# Allegro board RV1106G_COREDLOC_SL_V12_20220907LXF.brd
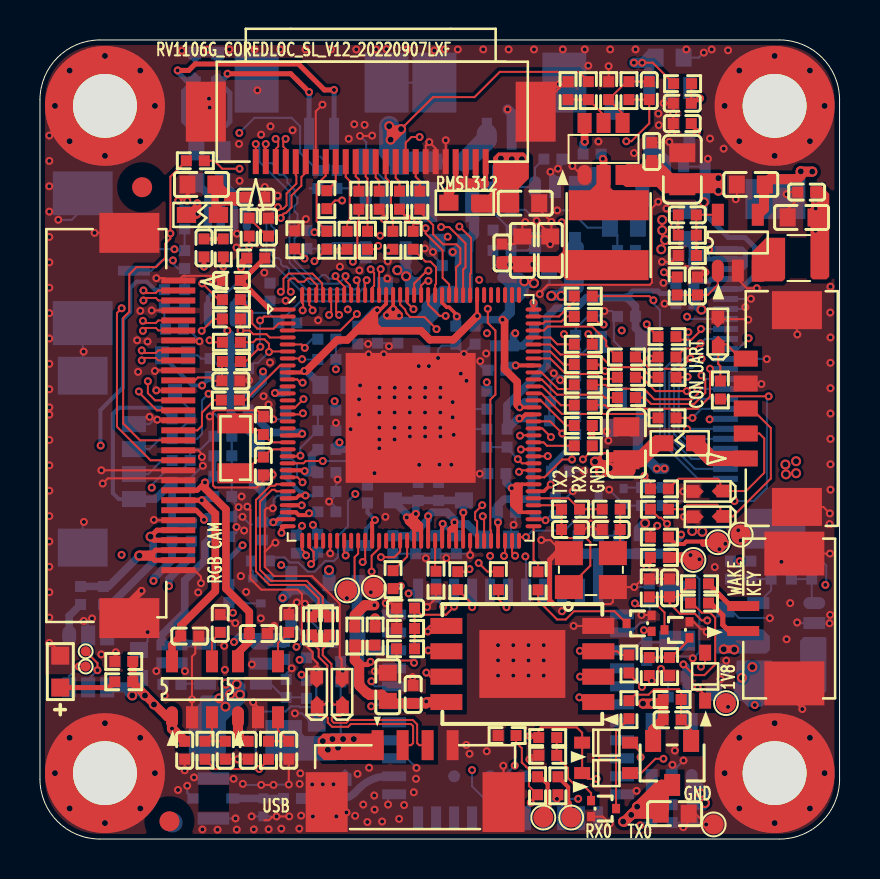
[diagram p0: board, top side]
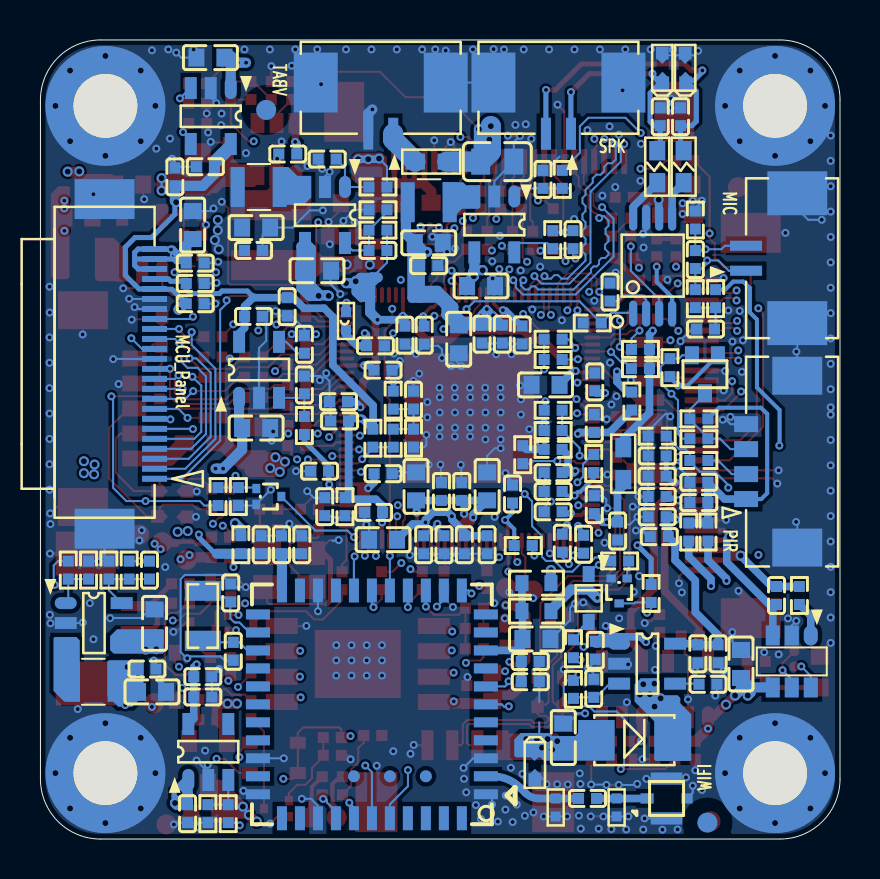
[diagram p1: board, bottom side, seen from below]

Outline 40 x 40 mm; copper layers: TOP, L2_GND, L3_POW, L4_SIG, L5_GND, BOTTOM. Coordinates in mm from the lower left corner of the outline.
Outline path: 0,37 0,3 arc(0.88,0.88) 3,0 37,0 arc(39.12,0.88) 40,3 40,37 arc(39.12,39.12) 37,40 3,40 arc(0.88,39.12) 0,37

## Design rules (mm)
net group USB_DM: nets USB_DM USB_DM_CON
net group USB_DP: nets USB_DP USB_DP_CON

## Placement (name value [footprint] x y rotation side)
ANT6000  ARAF0004-P002A  [ANT-WFL-R-SMT]  8.65 2.03 270 bottom
C1000  1uF  [C0402]  13.89 14.81 90 bottom
C1001  1uF  [C0402]  12.83 14.76 90 bottom
C1002  4.7uF  [C0402]  14.35 16.38 0 bottom
C1003  100nF  [C0402]  14.35 17.4 0 bottom
C1004  100nF  [C0402]  14.35 18.34 0 bottom
C1005  10uF  [C0603]  19.08 25.02 270 bottom
C1006  1uF  [C0402]  16.89 25.27 270 bottom
C1007  100nF  [C0402]  17.91 25.27 270 bottom
C1008  10uF  [C0603]  21.21 17.65 90 bottom
C1009  10uF  [C0603]  17.65 17.65 90 bottom
C1010  1uF  [C0402]  19.94 17.4 90 bottom
C1011  100nF  [C0402]  18.92 17.4 90 bottom
C1012  4.7uF  [C0402]  12.29 16.74 90 bottom
C1013  100nF  [C0402]  11.13 15.42 270 bottom
C1014  10uF  [C0603]  14.73 22.73 0 bottom
C1015  10uF  [C0603]  22.86 14.99 0 bottom
C1016  1uF  [C0402]  22.86 18.29 180 bottom
C1017  1uF  [C0402]  18.8 14.73 270 bottom
C1018  100nF  [C0402]  25.09 21.89 0 bottom
C1019  100nF  [C0402]  15.9 25.23 270 bottom
C1020  100nF  [C0402]  21.77 25.22 270 bottom
C1021  1uF  [C0402]  19.81 14.73 270 bottom
C1022  100nF  [C0402]  20.83 14.73 270 bottom
C1100  18pF  [C0402]  28.57 15.49 180 top
C1101  18pF  [C0402]  26.54 15.49 180 top
C1102  100nF  [C0402]  12.27 22.89 90 bottom
C1103  100nF  [C0402]  26.04 18.41 0 bottom
C1104  18pF  [C0402]  11.18 20.7 90 top
C1105  18pF  [C0402]  11.18 18.67 270 top
C1106  100nF  [C0402]  25.78 16.64 90 bottom
C1107  1uF  [C0402]  12.29 20.8 90 bottom
C1108  100nF  [C0402]  17.65 14.73 270 bottom
C1109  100nF  [C0402]  23.33 16.35 0 bottom
C1110  100nF  [C0402]  25.04 20.93 0 bottom
C1200  100nF  [C0402]  16.38 17.27 90 bottom
C1201  100nF  [C0402]  23.24 24.69 180 bottom
C1202  10uF  [C0603]  17.4 7.62 90 top
C1203  100nF  [C0402]  18.67 7.24 90 top
C1300  100nF  [C0402]  20.8 25.22 270 bottom
C1301  100nF  [C0402]  22.86 23.47 180 bottom
C1302  100nF  [C0402]  9.58 27.97 180 top
C2000  4.7uF  [C0603]  31.5 39.12 0 bottom
C2001  4.7uF  [C0402]  31.75 33.66 0 bottom
C2002  100nF  [C0402]  33.27 33.15 90 bottom
C2003  100nF  [C0402]  32.13 36.83 180 top
C2004  10nF  [C0402]  32.13 35.81 180 top
C2005  4.7uF  [C0603]  26.16 28.45 180 bottom
C2006  47pF  [C0402]  23.11 29.46 0 bottom
C2007  22uF  [C0603]  29.21 30.61 180 bottom
C2008  100nF  [C0402]  29.34 29.46 180 bottom
C2009  22pF  [C0402]  32.38 31.24 0 top
C2010  4.7uF  [C0603]  35.56 32.77 180 top
C2011  10uF  [C0603]  38.1 31.11 180 top
C2012  100nF  [C0402]  38.35 32.38 180 top
C2013  DNP  [C0402]  25.65 34.04 0 bottom
C2014  100nF  [C0402]  32.89 27.69 90 top
C2015  4.7uF  [C0603]  29.21 20.57 180 bottom
C2016  4.7uF  [C0402]  29.34 26.16 180 bottom
C2017  100nF  [C0402]  27.66 26.65 270 bottom
C2018  4.7uF  [C0603]  17.96 27.69 180 bottom
C2019  47pF  [C0402]  13.36 30.01 270 bottom
C2020  22uF  [C0603]  20.57 29.84 180 bottom
C2021  100nF  [C0402]  20.57 28.7 180 bottom
C2022  100nF  [C0402]  26.8 22.73 90 bottom
C2023  10nF  [C0402]  26.8 24.77 90 bottom
C2024  DNP  [C0402]  14.86 33.02 90 bottom
C2025  10nF  [C0402]  21.34 21.97 90 bottom
C2500  10uF  [C0603]  13.84 5.08 90 bottom
C2502  10uF  [C0805]  29.34 19.81 90 top
C2504  100nF  [C0402]  27.63 34.29 0 bottom
C2505  10uF  [C0805]  32.13 33.53 90 top
C2506  100nF  [C0402]  30.61 34.42 90 top
C2507  22pF  [C0402]  30.48 37.47 90 top
C2508  22uF  [C0603]  25.53 29.46 90 top
C2509  10uF  [C0603]  24.13 29.46 90 top
C2510  100nF  [C0402]  23.11 29.34 90 top
C2520  10uF  [C0805]  17.14 33.91 180 bottom
C2600  22pF  [C0402]  34.54 13.46 270 bottom
C2601  10uF  [C0603]  34.42 7.37 180 bottom
C2602  100nF  [C0402]  34.67 8.51 180 bottom
C2603  10uF  [C0603]  34.29 10.79 90 bottom
C2604  1uF  [C0402]  31.62 5.97 0 top
C2605  10uF  [C0603]  31.75 1.27 0 top
C2606  1uF  [C0402]  32.64 1.27 90 bottom
C2607  100nF  [C0402]  31.88 8.13 180 bottom
C2608  10uF  [C0402]  31.88 7.11 0 bottom
C4500  10uF  [C0603]  24.27 31.83 0 top
C4700  100nF  [C0402]  9.14 19.18 0 bottom
C4701  10uF  [C0402]  9.14 18.16 0 bottom
C4702  100nF  [C0402]  9.14 17.14 0 bottom
C4703  10uF  [C0402]  9.14 16.13 0 bottom
C4704  100nF  [C0402]  9.04 15.14 0 bottom
C4705  10nF  [C0402]  3.17 12.19 90 bottom
C4706  4.7uF  [C0603]  4.95 8.76 90 bottom
C4707  8pF  [C0402]  9.55 22.94 0 top
C4708  1uF  [C0402]  10.41 4.45 90 top
C4709  100nF  [C0402]  12.45 4.45 270 top
C4710  10nF  [C0402]  12.45 10.79 90 top
C4711  10uF  [C0402]  10.92 10.29 0 top
C4712  1uF  [C0402]  12.24 9.45 270 bottom
C4713  100nF  [C0402]  6.1 9.27 270 bottom
C4714  10uF  [C0402]  7.11 9.27 270 bottom
C4715  1uF  [C0402]  7.24 4.45 270 top
C4716  1uF  [C0402]  7.49 10.16 0 top
C4717  10nF  [C0402]  9.02 10.79 90 top
C4718  100nF  [C0402]  12.32 7.54 90 bottom
C4719  10nF  [C0402]  6.6 7.75 180 bottom
C4720  100nF  [C0402]  9.27 4.45 270 top
C5000  10uF  [C0603]  32.38 30.73 90 bottom
C5001  100nF  [C0402]  32.26 28.83 180 bottom
C5002  100nF  [C0402]  32.26 27.81 180 bottom
C5003  100nF  [C0402]  32.26 26.8 180 bottom
C6000  10pF  [C0402]  12.63 2.03 180 bottom
C6001  10uF  [C0603]  15.18 10.02 180 bottom
C6002  100nF  [C0402]  15.49 7.87 180 bottom
C6003  100nF  [C0402]  15.49 8.89 180 bottom
C6004  1uF  [C0402]  27.94 14.73 90 bottom
C6005  100nF  [C0402]  26.92 14.73 90 bottom
C6006  33pF  [C0402]  30.35 9.4 270 bottom
C6007  33pF  [C0402]  30.48 12.32 90 bottom
C7000  1uF  [C0402]  11.51 27.38 270 bottom
C7001  10nF  [C0402]  11.43 30.63 270 top
C7002  10nF  [C0402]  8.2 29.59 90 top
C7003  10uF  [C0603]  8.08 32.77 180 top
C7004  680pF  [C0402]  7.98 36.16 90 bottom
C7005  680pF  [C0402]  8.99 36.16 90 bottom
C7006  100nF  [C0402]  10.79 32.13 0 top
C7007  4.7uF  [C0402]  6.73 25.53 0 bottom
C7008  10pF  [C0402]  7.24 29.01 90 bottom
C8200  10uF  [C0402]  7.06 16.84 0 bottom
C8201  100nF  [C0402]  7.06 17.86 0 bottom
C8203  100nF  [C0402]  31.5 12.57 90 top
C8206  470pF  [C0402]  18.29 11.56 180 top
C8207  100nF  [C0402]  28.96 14.73 90 bottom
D2500  SS32  [DO_214AC]  10.29 4.95 0 bottom
D2600  1N4148WS  [SOD_323]  28.32 3.3 180 top
D2603  1N4148WS  [SOD_323]  33.27 8.13 270 top
D2604  1N4148WS  [SOD_323]  12.57 12.06 90 bottom
D2605  1N4148WS  [SOD_323]  28.32 4.83 180 top
ED2500  ESD5311N  [ESD0402]  15.11 7.37 90 top
ED2501  ESD5311N  [ESD0402]  13.84 7.37 90 top
ED2505  ESD5471X  [ESD0402]  15.27 3.71 270 bottom
ED2510  ESD5451N  [ESD0402]  33.91 25.4 90 top
ED2511  ESD5451N  [ESD0402]  33.4 16.13 180 top
ED2512  ESD5451N  [ESD0402]  33.4 17.4 180 top
ED7000  ST0561D4  [ESD0402]  8.89 38.61 90 bottom
ED7001  ST0561D4  [ESD0402]  7.75 38.61 90 bottom
FB1000  100R-100M  [L0603]  10.85 18.79 270 bottom
FB1100  120R-100M  [L0402]  24.71 25.93 270 bottom
FB2500  90R-100M  [RP2_0405]  14.04 10.7 270 top
FB2501  0R/100R-100M  [L0603]  32 19.81 0 top
FB2510  0R/100R-100M  [L0603]  20.45 33.91 0 bottom
FB4500  0R/100R-100M  [L0603]  21.25 31.85 180 top
FB7000  100R-100M  [L0603]  8.13 31.24 0 top
FB7001  0R  [L0603]  7.82 33.66 90 bottom
FB7002  0R  [L0603]  9.14 33.66 90 bottom
H9900  HOLE_3R20  [HOLE_C3R20_C6R00]  36.75 36.7 0 top
H9901  HOLE_3R20  [HOLE_C3R20_C6R00]  36.75 3.3 0 top
H9902  HOLE_3R20  [HOLE_C3R20_C6R00]  3.25 3.3 0 top
H9903  HOLE_3R20  [HOLE_C3R20_C6R00]  3.25 36.7 0 top
J2500  CON4  [CN4ML_1R25_V]  16.89 4.7 0 top
J2501  CON5  [CON5M_1X5_1R25_V_P]  35.31 19.05 90 top
J2502  CON2_1X2  [CN2ML_1R25_H_P]  22.35 35.31 0 bottom
J4500  CON24_1X24  [CON24_1X24_0R50]  10.79 33.91 180 top
J4700  CON30_1X30  [CON30_1X30_0R50]  6.92 15.96 270 top
J5000  CON24_1X24  [CON24_1X24_0R50]  34.29 18.03 270 bottom
J7000  CON2_1X2  [CN2ML_1R25_H_P]  13.46 35.31 0 bottom
J7001  CON2_1X2  [CN2ML_1R25_H_P]  4.7 28.45 90 bottom
J8200  CON4  [CON4M_1X4_1R25_V_P]  4.7 17.02 90 bottom
J8202  CON2_1X2  [CN2ML_1R25_H_P]  35.18 10.41 90 top
L2000  1.0uH  [IND_252010]  29.08 32.64 0 bottom
L2001  2.2uH  [IND_252012]  37.97 29.08 0 top
L2002  1.0uH  [IND_252010]  20.57 31.88 0 bottom
L2500  10uH  [IND_404030]  28.45 30.23 270 top
L2600  2.2uH  [IND_252012]  37.34 7.87 180 bottom
L6000  DNP  [L0402]  14.22 1.58 270 bottom
L6001  DNP  [L0402]  11.18 1.58 270 bottom
LED2600  LED_GREEN  [LED0603]  1.02 8.38 90 top
M9900  -  [MARK]  28.71 36.5 180 bottom
M9901  -  [MARK]  5.11 32.63 0 top
M9902  -  [MARK]  6.63 0.82 180 bottom
M9903  -  [MARK]  6.48 0.89 0 top
Q2600  WPM3401-3/TR  [SOT_23]  31.62 3.81 180 top
Q2601  MMBT3904M  [SOT_723]  28.19 1.52 270 top
Q2620  MMBT3904M  [SOT_723]  31.87 10.47 90 top
Q2621  MMBT3904M  [SOT_723]  28.57 17.14 270 bottom
Q6001  MMBT3904M  [SOT_723]  29.97 10.79 90 top
Q8200  2SK3018  [SOT_323]  6.76 23.27 0 bottom
Q8201  MMBT3904M  [SOT_723]  11.05 12.42 0 bottom
R1000  240R  [R0402]  19.81 12.95 90 top
R1001  1R  [R0402]  14.35 19.51 0 bottom
R1010  10K  [R0402]  12.32 18.8 90 bottom
R1100  22R  [R0402]  28.57 16.51 0 top
R1101  1M  [R0402]  26.54 16.51 180 top
R1102  10K  [R0402]  24.77 16.64 270 bottom
R1103  100R  [R0402]  10.41 21.92 90 bottom
R1108  100R  [R0402]  30.99 14.1 0 top
R1109  100R  [R0402]  30.99 15.11 0 top
R1200  22R  [R0402]  17.66 12.99 270 top
R1201  0R  [R0402]  16.76 10.16 270 top
R1202  10K  [R0402]  29.46 8.76 90 top
R1203  10K  [R0402]  15.85 14.69 180 bottom
R1204  0R  [R0402]  15.75 10.16 270 top
R1205  10K  [R0402]  15.87 19.24 90 bottom
R1206  100K  [R0402]  14.35 21.46 180 bottom
R1207  100K  [R0402]  14.35 20.45 0 bottom
R1302  4.7K  [R0402]  9.98 23.55 0 bottom
R1303  4.7K  [R0402]  9.98 24.51 0 bottom
R1304  1R  [R0402]  10.79 29.08 180 top
R1305  4.7K  [R0402]  14.35 24 180 bottom
R1306  4.7K  [R0402]  14.35 25.02 180 bottom
R2001  220K  [R0402]  32.15 37.82 0 top
R2003  10K  [R0402]  23.11 32.64 0 bottom
R2004  47K  [R0402]  23.11 30.48 0 bottom
R2005  127K  [R0402]  32.38 30.23 0 top
R2006  150K  [R0402]  31.88 27.69 270 top
R2007  100K  [R0402]  23.11 31.5 0 bottom
R2008  100K  [R0402]  32.38 29.21 180 top
R2010  100K  [R0402]  26.8 20.7 90 bottom
R2011  10K  [R0402]  13.89 33.02 270 bottom
R2012  47K  [R0402]  14.37 30.01 270 bottom
R2013  100K  [R0402]  12.75 30 90 top
R2014  9.1K  [R0402]  23.37 20.07 270 bottom
R2015  24K  [R0402]  22.35 20.07 90 bottom
R2016  220K  [R0402]  22.35 21.97 90 bottom
R2017  10K  [R0402]  21.34 20.07 270 bottom
R2500  2.2R  [R0402]  13.59 10.67 270 top
R2503  2.2R  [R0402]  14.48 10.67 270 top
R2505  100R  [R0402]  30.99 17.53 0 top
R2506  100R  [R0402]  30.99 16.51 0 top
R2507  2M  [R0402]  29.46 37.47 90 top
R2508  1M  [R0402]  27.43 37.47 270 top
R2509  1M  [R0402]  26.42 37.47 90 top
R2510  374K  [R0402]  28.45 37.47 90 top
R2520  10K  [R0402]  34.04 22.48 90 top
R2601  10K  [R0402]  38.61 13.46 270 bottom
R2602  1M  [R0402]  35.56 13.46 270 bottom
R2603  1M  [R0402]  37.59 13.46 90 bottom
R2604  510K  [R0402]  36.58 13.46 90 bottom
R2605  100K  [R0402]  4.19 8.89 0 top
R2606  4.7K  [R0402]  4.19 7.87 0 top
R2607  100K  [R0402]  31.62 6.99 0 top
R2608  10K  [R0402]  29.46 6.48 90 top
R2609  10K  [R0402]  30.61 1.27 90 bottom
R2610  1M  [R0402]  31.62 1.27 270 bottom
R2611  47K  [R0402]  13.34 9.53 270 bottom
R2612  10K  [R0402]  25.4 5.08 0 top
R2613  100K  [R0402]  25.4 4.19 0 top
R2620  100K  [R0402]  31.5 8.64 90 top
R2621  10K  [R0402]  30.48 8.64 90 top
R2622  100K  [R0402]  30.1 17.14 90 bottom
R2623  10K  [R0402]  31.11 17.14 90 bottom
R4500  33R  [R0402]  14.35 29.97 90 top
R4501  100R  [R0402]  14.35 32 90 top
R4502  100R  [R0402]  15.37 29.97 90 top
R4503  100R  [R0402]  15.95 31.98 90 top
R4504  1K  [R0402]  16.38 29.97 90 top
R4505  100R  [R0402]  16.97 31.98 90 top
R4506  100R  [R0402]  17.65 29.97 90 top
R4507  100R  [R0402]  17.98 31.98 90 top
R4508  100R  [R0402]  18.67 29.97 90 top
R4509  100R  [R0402]  19 31.98 90 top
R4700  100R  [R0402]  9.58 26.04 180 top
R4701  100R  [R0402]  9.58 24.87 180 top
R4702  100R  [R0402]  9.53 21.97 180 top
R4703  100R  [R0402]  9.58 27 180 top
R4704  0R  [R0402]  2.03 12.19 90 bottom
R4705  100R  [R0402]  7.77 33.95 180 top
R4706  33R  [R0402]  9.58 23.9 180 top
R4708  22K  [R0402]  11.43 4.45 270 top
R4711  22K  [R0402]  13.34 7.49 270 bottom
R4712  22K  [R0402]  8.26 4.45 90 top
R5000  22R  [R0402]  27.18 27.18 0 top
R5001  22R  [R0402]  31.37 21.08 0 top
R5002  22R  [R0402]  27.18 26.16 0 top
R5003  22R  [R0402]  29.34 24.13 0 top
R5004  22R  [R0402]  27.18 24.77 0 top
R5005  22R  [R0402]  31.37 23.11 0 top
R5006  22R  [R0402]  27.18 23.75 0 top
R5007  22R  [R0402]  27.18 20.7 0 top
R5008  22R  [R0402]  29.34 23.11 0 top
R5009  22R  [R0402]  27.18 22.73 0 top
R5010  22R  [R0402]  29.34 22.1 0 top
R5011  22R  [R0402]  27.18 21.72 0 top
R5012  100R  [R0402]  27.18 19.68 0 top
R5013  100R  [R0402]  31.37 24.13 0 top
R5014  100R  [R0402]  31.37 25.15 0 top
R6000  0R  [R0402]  29.97 14.73 270 bottom
R6001  0R  [R0603]  15.18 11.41 0 bottom
R6002  0R  [R0603]  15.18 12.81 0 bottom
R6003  10K  [R0402]  11.02 13.92 180 bottom
R6005  100K  [R0402]  20.9 12.94 270 top
R6007  22R  [R0402]  22.93 12.94 270 top
R6010  100R  [R0402]  24.89 2.67 90 top
R6011  100R  [R0402]  25.91 2.67 90 top
R6050  100R  [R0402]  24.92 12.93 270 top
R7000  75K  [R0402]  10.46 30.63 270 top
R7001  75K  [R0402]  9.17 29.59 270 top
R7002  100R  [R0402]  6.22 27.05 270 bottom
R7003  1.1K  [R0402]  7.24 27.05 270 bottom
R7004  1.1K  [R0402]  7.24 30.99 90 bottom
R7010  100K  [R0402]  12.4 25.83 180 bottom
R8201  0R  [R0402]  7.57 15.37 270 bottom
R8202  100R  [R0402]  7.06 18.95 0 bottom
R8204  100R  [R0402]  7.06 20.04 0 bottom
R8207  100R  [R0402]  32.99 12.78 0 top
R8208  10K  [R0402]  32.99 11.81 0 top
R8211  100K  [R0402]  30.48 12.57 90 top
R8214  240K  [R0402]  18.29 10.54 180 top
R8215  1M  [R0402]  18.29 9.53 0 top
R8216  0R  [R0402]  6.6 15.37 270 bottom
R8217  10K  [R0402]  8.51 23.6 90 bottom
R8218  10K  [R0402]  7.06 21.03 0 bottom
R8220  100K  [R0402]  9.14 20.17 0 bottom
R8221  10K  [R0402]  9.45 12.29 270 bottom
R8222  10K  [R0402]  23.37 5.18 180 top
TP1102  TP_1.0  [TP_1R00]  33.91 14.86 0 top
TP1103  TP_1.0  [TP_1R00]  32.69 13.97 0 top
TP1104  TP_1.0  [TP_1R00]  35.05 15.24 0 top
TP1200  TP_1.0  [TP_1R00]  15.37 12.45 0 top
TP1201  TP_1.0  [TP_1R00]  16.7 12.58 0 top
TP4700  TP_0.5  [TP_0R50]  2.29 8.64 0 top
TP4701  TP_0.5  [TP_0R50]  2.29 9.4 0 top
TP4702  TP_1.0  [TP_1R00]  34.32 6.8 0 top
TP4703  TP_1.0  [TP_1R00]  25.18 1.08 0 top
TP4704  TP_1.0  [TP_1R00]  26.58 1.08 0 top
TP4705  TP_1.0  [TP_1R00]  33.7 0.73 0 top
U1000  RV1106G  [QFN128_12R3X12R3X0R90_T]  18.54 21.08 0 top
U1201  SPI_FLASH  [WSON8_8R00X6R00X0R80_T]  24.13 8.76 90 top
U2000  SGM2036S-1.8XN5G/TR  [SOT_23_5]  30.48 37.59 270 bottom
U2001  ETA3409S2F  [SOT_23_5]  24.77 32.64 270 bottom
U2002  SY8088AAC  [SOT_23_5]  33.91 28.45 90 top
U2003  SGM2036S-3.3XN5G/TR  [SOT_23_5]  30.06 22.09 90 bottom
U2004  ETA3409S2F  [SOT_23_5]  16.29 32.17 270 bottom
U2600  MT3405AC  [SOT_23_5]  38.73 11.81 180 bottom
U2601  TCS2187-E18  [SOT_23_5]  32.6 2.96 90 bottom
U4700  MS3111S  [SOT_23_6]  2.41 8.89 270 bottom
U4701  SGM2036S-1.2XN5G/TR  [SOT_23_5]  9.91 6.1 90 top
U4702  SGM2036S-1.8XN5G/TR  [SOT_23_5]  6.6 6.1 90 top
U4703  SGM2036S-2.8XN5G/TR  [SOT_23_5]  11.05 9.78 180 bottom
U6000  Hi3861L  [MD44_AP6XXX]  23.42 6.74 0 bottom
U7000  TCS7191A/TT8642  [MSOP8]  9.37 28.7 90 bottom
U7001  SGM61220  [SOT_23_6]  28.19 34.54 90 top
Y1100  24MHz  [CRY4_3R20X2R50X0R80]  27.56 13.46 0 top
Y1101  32.768KHz  [CRY2_3R20X1R50X0R90]  9.78 19.56 270 top
Y6000  32.768KHz  [CRY2_3R20X1R50X0R90]  31.88 11.18 90 bottom

## Library data of the parts
ANT6000 = ANT_3
C1000-C1022 C1100-C1110 C1200-C1203 C1300-C1302 C2000-C2025 C2500 C2502 C2504-C2510 C2520 C2600-C2608 C4500 C4700-C4720 C5000-C5003 C6000-C6007 C7000-C7008 C8200 C8201 C8203 C8206 C8207 = CAP NP
D2500 D2600 D2603-D2605 = DIODE
ED2500 ED2501 ED2505 ED2510-ED2512 ED7000 ED7001 = DIODE BI_DIR TRIG
FB1000 FB1100 FB2501 FB2510 FB4500 FB7000-FB7002 = BEAD
FB2500 = INDUCTOR COM
H9900-H9903 = Hole
J2500 = CON_0
J2501 = CON6_5
J2502 = CON2_9
J4500 = CON24_2
J4700 = CON24_1
J5000 = CON24_1X24
J7000 J7001 J8202 = CON2_5
J8200 = FPC6_1
L2000-L2002 L2500 L2600 = INDUCTORS OF FERRITE
L6000 L6001 = INDUCTOR
LED2600 = LED
M9900-M9903 = MARK
Q2600 = MOSFET P
Q2601 Q2620 Q2621 Q6001 Q8201 = NPN
Q8200 = MOSFET N
R1000 R1001 R1010 R1100-R1103 R1108 R1109 R1200-R1207 R1302-R1306 R2001 R2003-R2008 R2010-R2017 R2505-R2510 R2520 R2601-R2613 R2620-R2623 R4500-R4509 R4700-R4706 R4708 R4711 R4712 R5000-R5014 R6000-R6003 R6005 R6007 R6010 R6011 R6050 R7000-R7004 R7010 R8201 R8202 R8204 R8207 R8208 R8211 R8214-R8218 R8220-R8222 = RESISTOR
R2500 R2503 = RESISTOR: signal model: RESISTOR_R0402_2.2R_2.2R
TP1102-TP1104 TP1200 TP1201 TP4700-TP4705 = TP
U1000 = SOC_RV1106G
U1201 = SPI_FLASH_8PIN_T_0
U2000 U2003 U4701-U4703 = LDO_PT5108
U2001 U2002 U2004 = DCDC_SY8088
U2600 = LDO_XC6233_1
U2601 = LDO_XC6233
U4700 = MS3111S_0
U6000 = MODULE_AP6XXX_0
U7000 = Amplifier_PT1505_0
U7001 = SGM61220_2
Y1100 = CRYSTAL_4P
Y1101 Y6000 = CRYSTAL_2P

## Footprints (pads in the part's own frame, mm; a bottom-side part is the same pattern mirrored in y, then rotated)
ANT-WFL-R-SMT
  rect 0.508x0.66 smd: 1(0,-1)
  rect 0.508x0.559 smd: 2(0,1)
  rect 0.61x1.575 smd: 3(-1,-0.025) 4(1,-0.025)
C0402
  rect 0.551x0.551 smd: 1(-0.45,0) 2(0.45,0)
C0603
  rect 0.8x0.899 smd: 1(-0.7,0) 2(0.7,0)
C0805
  rect 0.95x1.301 smd: 1(-0.825,0) 2(0.825,0)
CN2ML_1R25_H_P
  rect 0.5x1.6 smd: 1(0,0) 2(1.25,0)
  rect 2.2x3 smd: 3(-2.625,-2.56) 4(3.875,-2.56)
CN4ML_1R25_V
  rect 0.6x1.5 smd: 1(0,0) 2(1.25,0) 3(2.5,0) 4(3.75,0)
  rect 2.1x3 smd: 5(-2.55,-2.85) 6(6.3,-2.85)
CON4M_1X4_1R25_V_P
  rect 0.8x1.2 smd: 1(0,0) 2(1.25,0) 3(2.5,0) 4(3.75,0)
  rect 1.9x2.5 smd: 5(-2.425,-2.56) 6(6.175,-2.56)
CON5M_1X5_1R25_V_P
  rect 0.8x1.2 smd: 1(0,0) 2(1.25,0) 3(2.5,0) 4(3.75,0) 5(5,0)
  rect 1.9x2.5 smd: 6(7.425,-2.56) 7(-2.425,-2.56)
CON24_1X24_0R50
  rect 0.3x1.25 smd: 1(0,0) 2(-0.5,0) 3(-1,0) 4(-1.5,0) 5(-2,0) 6(-2.5,0) 7(-3,0) 8(-3.5,0) 9(-4,0) 10(-4.5,0) 11(-5,0) 12(-5.5,0) 13(-6,0) 14(-6.5,0) 15(-7,0) 16(-7.5,0) 17(-8,0) 18(-8.5,0) 19(-9,0) 20(-9.5,0) 21(-10,0) 22(-10.5,0) 23(-11,0) 24(-11.5,0)
  rect 2x3 smd: 25(2.5,-2.5) 26(-14,-2.5)
CON30_1X30_0R50
  rect 0.3x1.7 smd: 1(-12,0) 2(-11.5,0) 3(-11,0) 4(-10.5,0) 5(-10,0) 6(-9.5,0) 7(-9,0) 8(-8.5,0) 9(-8,0) 10(-7.5,0) 11(-7,0) 12(-6.5,0) 13(-6,0) 14(-5.5,0) 15(-5,0) 16(-4.5,0) 17(-4,0) 18(-3.5,0) 19(-3,0) 20(-2.5,0) 21(-2,0) 22(-1.5,0) 23(-1,0) 24(-0.5,0) 25(0,0) 26(0.5,0) 27(1,0) 28(1.5,0) 29(2,0) 30(2.5,0)
  rect 2x3 smd: 31(-14.385,-2.446) 32(4.9,-2.446)
CRY2_3R20X1R50X0R90
  rect 1x1.8 smd: 1(-1.25,0) 2(1.25,0)
CRY4_3R20X2R50X0R80
  rect 1.399x1.199 smd: 1(-1.1,-0.85) 2(1.1,-0.85) 3(1.1,0.85) 4(-1.1,0.85)
DO_214AC
  rect 1.801x1.999 smd: 1(1.9,0) 2(-1.9,0)
ESD0402
  custom 0.869x0.637 smd: 1(-0.635,-0.02)
  custom 0.859x0.637 smd: 2(0.622,0)
HOLE_C3R20_C6R00
  round 6 hole 3.2: 1(0,0)
IND_252010
  rect 0.701x1.999 smd: 1(-1.05,0) 2(1.05,0)
IND_252012
  rect 0.701x1.999 smd: 1(-1.05,0) 2(1.05,0)
IND_404030
  rect 1.501x4 smd: 1(-1.5,0) 2(1.5,0)
L0402
  rect 0.5x0.5 smd: 1(-0.45,0) 2(0.45,0)
L0603
  rect 0.965x0.8 smd: 1(-0.8,0) 2(0.8,0)
LED0603
  rect 0.899x0.899 smd: 1(-0.8,0) 2(0.8,0)
MARK
  round 1 smd: 1(0,0)
MD44_AP6XXX
  rect 1.199x0.5 smd: 1(-5.7,4.5) 2(-5.7,3.6) 3(-5.7,2.7) 4(-5.7,1.8) 5(-5.7,0.9) 6(-5.7,0) 7(-5.7,-0.9) 8(-5.7,-1.8) 9(-5.7,-2.7) 10(-5.7,-3.6) 11(-5.7,-4.5) 23(5.7,-4.5) 24(5.7,-3.6) 25(5.7,-2.7) 26(5.7,-1.8) 27(5.7,-0.9) 28(5.7,0) 29(5.7,0.9) 30(5.7,1.8) 31(5.7,2.7) 32(5.7,3.6) 33(5.7,4.5)
  rect 0.5x1.199 smd: 12(-4.5,-5.7) 13(-3.6,-5.7) 14(-2.7,-5.7) 15(-1.8,-5.7) 16(-0.9,-5.7) 17(0,-5.7) 18(0.9,-5.7) 19(1.8,-5.7) 20(2.7,-5.7) 21(3.6,-5.7) 22(4.5,-5.7) 34(4.5,5.7) 35(3.6,5.7) 36(2.7,5.7) 37(1.8,5.7) 38(0.9,5.7) 39(0,5.7) 40(-0.9,5.7) 41(-1.8,5.7) 42(-2.7,5.7) 43(-3.6,5.7) 44(-4.5,5.7)
  round 0.599 smd: 45(-2.7,3.6) 46(-0.9,3.6) 47(0.9,3.6)
MSOP8
  oval 1.3x0.41 smd: 1(-2.4,0.975) 2(-2.4,0.325) 3(-2.4,-0.325) 4(-2.4,-0.975) 5(2.4,-0.975) 6(2.4,-0.325) 7(2.4,0.325) 8(2.4,0.975)
QFN128_12R3X12R3X0R90_T
  oval 0.8x0.2 smd: 1(-6.15,5.425) 2(-6.15,5.075) 3(-6.15,4.725) 4(-6.15,4.375) 5(-6.15,4.025) 6(-6.15,3.675) 7(-6.15,3.325) 8(-6.15,2.975) 9(-6.15,2.625) 10(-6.15,2.275) 11(-6.15,1.925) 12(-6.15,1.575) 13(-6.15,1.225) 14(-6.15,0.875) 15(-6.15,0.525) 16(-6.15,0.175) 17(-6.15,-0.175) 18(-6.15,-0.525) 19(-6.15,-0.875) 20(-6.15,-1.225) 21(-6.15,-1.575) 22(-6.15,-1.925) 23(-6.15,-2.275) 24(-6.15,-2.625) 25(-6.15,-2.975) 26(-6.15,-3.325) 27(-6.15,-3.675) 28(-6.15,-4.025) 29(-6.15,-4.375) 30(-6.15,-4.725) 31(-6.15,-5.075) 32(-6.15,-5.425) 65(6.15,-5.425) 66(6.15,-5.075) 67(6.15,-4.725) 68(6.15,-4.375) 69(6.15,-4.025) 70(6.15,-3.675) 71(6.15,-3.325) 72(6.15,-2.975) 73(6.15,-2.625) 74(6.15,-2.275) 75(6.15,-1.925) 76(6.15,-1.575) 77(6.15,-1.225) 78(6.15,-0.875) 79(6.15,-0.525) 80(6.15,-0.175) 81(6.15,0.175) 82(6.15,0.525) 83(6.15,0.875) 84(6.15,1.225) 85(6.15,1.575) 86(6.15,1.925) 87(6.15,2.275) 88(6.15,2.625) 89(6.15,2.975) 90(6.15,3.325) 91(6.15,3.675) 92(6.15,4.025) 93(6.15,4.375) 94(6.15,4.725) 95(6.15,5.075) 96(6.15,5.425)
  oval 0.2x0.8 smd: 33(-5.425,-6.15) 34(-5.075,-6.15) 35(-4.725,-6.15) 36(-4.375,-6.15) 37(-4.025,-6.15) 38(-3.675,-6.15) 39(-3.325,-6.15) 40(-2.975,-6.15) 41(-2.625,-6.15) 42(-2.275,-6.15) 43(-1.925,-6.15) 44(-1.575,-6.15) 45(-1.225,-6.15) 46(-0.875,-6.15) 47(-0.525,-6.15) 48(-0.175,-6.15) 49(0.175,-6.15) 50(0.525,-6.15) 51(0.875,-6.15) 52(1.225,-6.15) 53(1.575,-6.15) 54(1.925,-6.15) 55(2.275,-6.15) 56(2.625,-6.15) 57(2.975,-6.15) 58(3.325,-6.15) 59(3.675,-6.15) 60(4.025,-6.15) 61(4.375,-6.15) 62(4.725,-6.15) 63(5.075,-6.15) 64(5.425,-6.15) 97(5.425,6.15) 98(5.075,6.15) 99(4.725,6.15) 100(4.375,6.15) 101(4.025,6.15) 102(3.675,6.15) 103(3.325,6.15) 104(2.975,6.15) 105(2.625,6.15) 106(2.275,6.15) 107(1.925,6.15) 108(1.575,6.15) 109(1.225,6.15) 110(0.875,6.15) 111(0.525,6.15) 112(0.175,6.15) 113(-0.175,6.15) 114(-0.525,6.15) 115(-0.875,6.15) 116(-1.225,6.15) 117(-1.575,6.15) 118(-1.925,6.15) 119(-2.275,6.15) 120(-2.625,6.15) 121(-2.975,6.15) 122(-3.325,6.15) 123(-3.675,6.15) 124(-4.025,6.15) 125(-4.375,6.15) 126(-4.725,6.15) 127(-5.075,6.15) 128(-5.425,6.15)
  rect 6.5x6.5 smd: 129(0,0)
R0402
  rect 0.551x0.551 smd: 1(-0.45,0) 2(0.45,0)
R0603
  rect 0.65x0.8 smd: 1(-0.725,0) 2(0.725,0)
RP2_0405
  rect 0.5x0.3 smd: 1(-0.625,-0.275) 2(0.625,-0.275) 3(-0.625,0.275) 4(0.625,0.275)
SOD_323
  rect 0.8x0.599 smd: 1(-1.2,0) 2(1.2,0)
SOT_23
  rect 0.8x1.1 smd: 1(-0.95,-1.1) 2(0.95,-1.1) 3(0,1.1)
SOT_23_5
  oval 1.1x0.599 smd: 1(0,0)
  rect 1.1x0.599 smd: 2(0,-1) 3(0,-2) 4(2.8,-2) 5(2.8,0)
SOT_23_6
  oval 1.001x0.701 smd: 1(-1.3,0.95)
  rect 1.001x0.701 smd: 2(-1.3,0) 3(-1.3,-0.95) 4(1.3,-0.95) 5(1.3,0) 6(1.3,0.95)
SOT_323
  rect 0.701x0.899 smd: 1(-0.65,-0.95) 2(0.65,-0.95) 3(0,0.95)
SOT_723
  rect 0.47x0.4 smd: 1(-0.4,-0.625) 2(0.4,-0.625) 3(0,0.625)
TP_0R50
  round 0.5 smd: 1(0,0)
TP_1R00
  round 1.001 smd: 1(0,0)
WSON8_8R00X6R00X0R80_T
  rect 0.8x1.6 smd: 1(-1.905,-3.8) 2(-0.635,-3.8) 3(0.635,-3.8) 4(1.905,-3.8) 5(1.905,3.8) 6(0.635,3.8) 7(-0.635,3.8) 8(-1.905,3.8)
  rect 3.4x4.3 smd: 9(0,0)

## Nets
AVDD1V8_USB: C1004.1 R1001.1 U1000.24(SARADC_USB_AVDD1V8)
GND: ANT6000.2(E1) ANT6000.3(E2) ANT6000.4(E3) C1002.2 C1003.2 C1004.2 C1005.2 C1006.2 C1007.2 C1008.2 C1009.2 C1010.2 C1011.2 C1012.2 C1013.2 C1014.2 C1015.2 C1016.2 C1017.2 C1018.2 C1019.2 C1020.2 C1021.2 C1022.2 C1100.2 C1101.1 C1102.2 C1103.2 C1104.2 C1105.2 C1106.2 C1107.2 C1108.2 C1109.2 C1110.2 C1200.2 C1201.2 C1202.2 C1203.2 C1300.2 C1301.2 C1302.2 C2000.2 C2001.2 C2002.2 C2003.2 C2004.2 C2005.2 C2007.2 C2008.2 C2010.2 C2011.2 C2012.2 C2013.2 C2014.2 C2015.2 C2016.2 C2017.2 C2018.2 C2020.2 C2021.2 C2022.2 C2023.2 C2024.2 C2025.2 C2500.2 C2502.2 C2505.2 C2506.2 C2508.2 C2509.2 C2510.2 C2520.2 C2601.2 C2602.2 C2603.2 C2605.2 C2606.1 C2607.2 C2608.1 C4500.2 C4700.2 C4701.2 C4702.2 C4703.2 C4704.2 C4706.2 C4707.2 C4708.1 C4709.2 C4710.2 C4711.2 C4712.2 C4713.2 C4714.2 C4715.2 C4716.2 C4717.2 C4718.2 C4719.2 C4720.2 C5000.2 C5001.2 C5002.2 C5003.2 C6001.2 C6002.2 C6003.2 C6004.2 C6005.2 C6006.2 C6007.2 C7000.1 C7001.1 C7003.2 C7004.2 C7005.2 C7006.2 C7007.2 C8200.2 C8201.2 C8203.2 C8206.2 C8207.2 ED2500.2 ED2501.2 ED2505.2 ED2510.2 ED2511.2 ED2512.2 ED7000.2 ED7001.2 H9900.1 H9901.1 H9902.1 H9903.1 J2500.4(GND) J2500.5(GND_0) J2500.6(GND_1) J2501.4(GND) J2501.6(PG1) J2501.7(PG2) J2502.2(GND) J2502.3(PG1) J2502.4(PG2) J4500.7(GND1) J4500.18(GND2) J4500.19(GND3) J4500.20(GND4) J4500.25 J4500.26 J4700.1(DGND1) J4700.4(DGND2) J4700.7(DGND3) J4700.10(DGND4) J4700.12(DGND5) J4700.15(DGND6) J4700.18(DGND7) J4700.20(DGND8) J4700.21(DGND9) J4700.25(DGND10) J4700.30(DGND11) J4700.31(G1) J4700.32(G2) J5000.13 J5000.18 J5000.19 J5000.25(G1) J5000.26(G2) J7000.3 J7000.4 J7001.3 J7001.4 J8200.4 J8200.5(GND0) J8200.6(GND1) J8202.3 J8202.4 L6000.2 L6001.2 LED2600.2(CATHODE) Q2601.2(EMITTER) Q2620.2(EMITTER) Q2621.2(EMITTER) Q6001.2(EMITTER) Q8201.2(EMITTER) R1000.1 R1207.2 R2007.2 R2008.2 R2013.2 R2017.2 R2509.2 R2510.2 R2603.2 R2604.2 R2605.1 R2610.2 R2613.1 R2620.1 R2622.1 R7004.2 R7010.1 R8211.2 R8214.2 R8220.2 R8222.2 TP1104.1 TP1201.1 TP4705.1 U1000.37(CODEC_AVSS) U1000.57(TVSS) U1000.129(EPAD) U1201.4(VSS) U1201.9(EPAD) U2000.2(GND) U2001.2(GND) U2002.2(GND) U2003.2(GND) U2004.2(GND) U2600.2(VSS) U2601.2(VSS) U4700.2(GND) U4701.2(GND) U4702.2(GND) U4703.2(GND) U6000.1(GND1) U6000.3(GND2) U6000.20(GND3) U6000.31(GND4) U6000.33(GND5) U6000.36(GND6) U7000.7(GND) U7001.1(GND) Y1100.2(GND#2) Y1100.4(GND#4)
VBAT_DET_HI3861L: C8206.1 R8214.1 R8215.2 U6000.14(IO_09/BAT_DET)
VCC1V2_DVDD: C4700.1 C4701.1 C4711.1 J4700.22(DVDD1V2) U4701.5(OUT)
VCC1V8_CODEC: C1012.1 C1013.1 FB1000.2 U1000.31(CODEC_AVDD1V8)
VCC1V8_DOVDD: C4702.1 C4716.1 J4700.23(DOVDD1V8) U4702.5(OUT)
VCC1V8_MICBIAS: R7002.1 U1000.32(CODEC_MICBIAS)
VCC1V8_STB: C2607.1 C2608.2 R6000.1 R8201.2 R8208.1 U2601.5(VOUT)
VCC2V8_AVDD: C4703.1 C4704.1 C4713.1 C4714.1 J4700.24(AVDD2V8) U4703.5(OUT)
VCC3V3_STB: C2600.1 C2601.1 C2602.1 L2600.2 R1103.2 R2602.1 R2609.1 R6002.1 R8216.2
VCC3V3_WL: C6001.1 C6002.1 C6003.1 R6001.2 R6002.2 U6000.9(VBAT)
VCC3V8_SYS: C2507.1 C2508.1 C2509.1 C2510.1 C2603.1 C2604.1 C2606.2 L2500.2 Q2600.2(SOURCE) R2507.1 R2601.1 R2607.1 R6001.1 U2600.4(VIN) U2601.1(VIN)
VCC5V0_PA: C7003.1 C7006.1 FB7000.2 U7000.6(VDD)
VCC5V0_USB: C2500.1 D2500.1(A) ED2505.1 J2500.1(VBUS) R2611.2